# Altium PCB MB1936.PcbDoc (part 5 of 13)
Units mm, origin at the board's own origin, x right, y up, seen from the top; angles counter-clockwise.
Board outline 172 x 137 mm, 6 copper layers (Top Layer, Signal Layer 1, Signal Layer 2, Signal Layer 3, Signal Layer 4, Bottom Layer), stack 1.549 mm thick; 859 components, 672 nets, 3477 pads, 2222 vias.
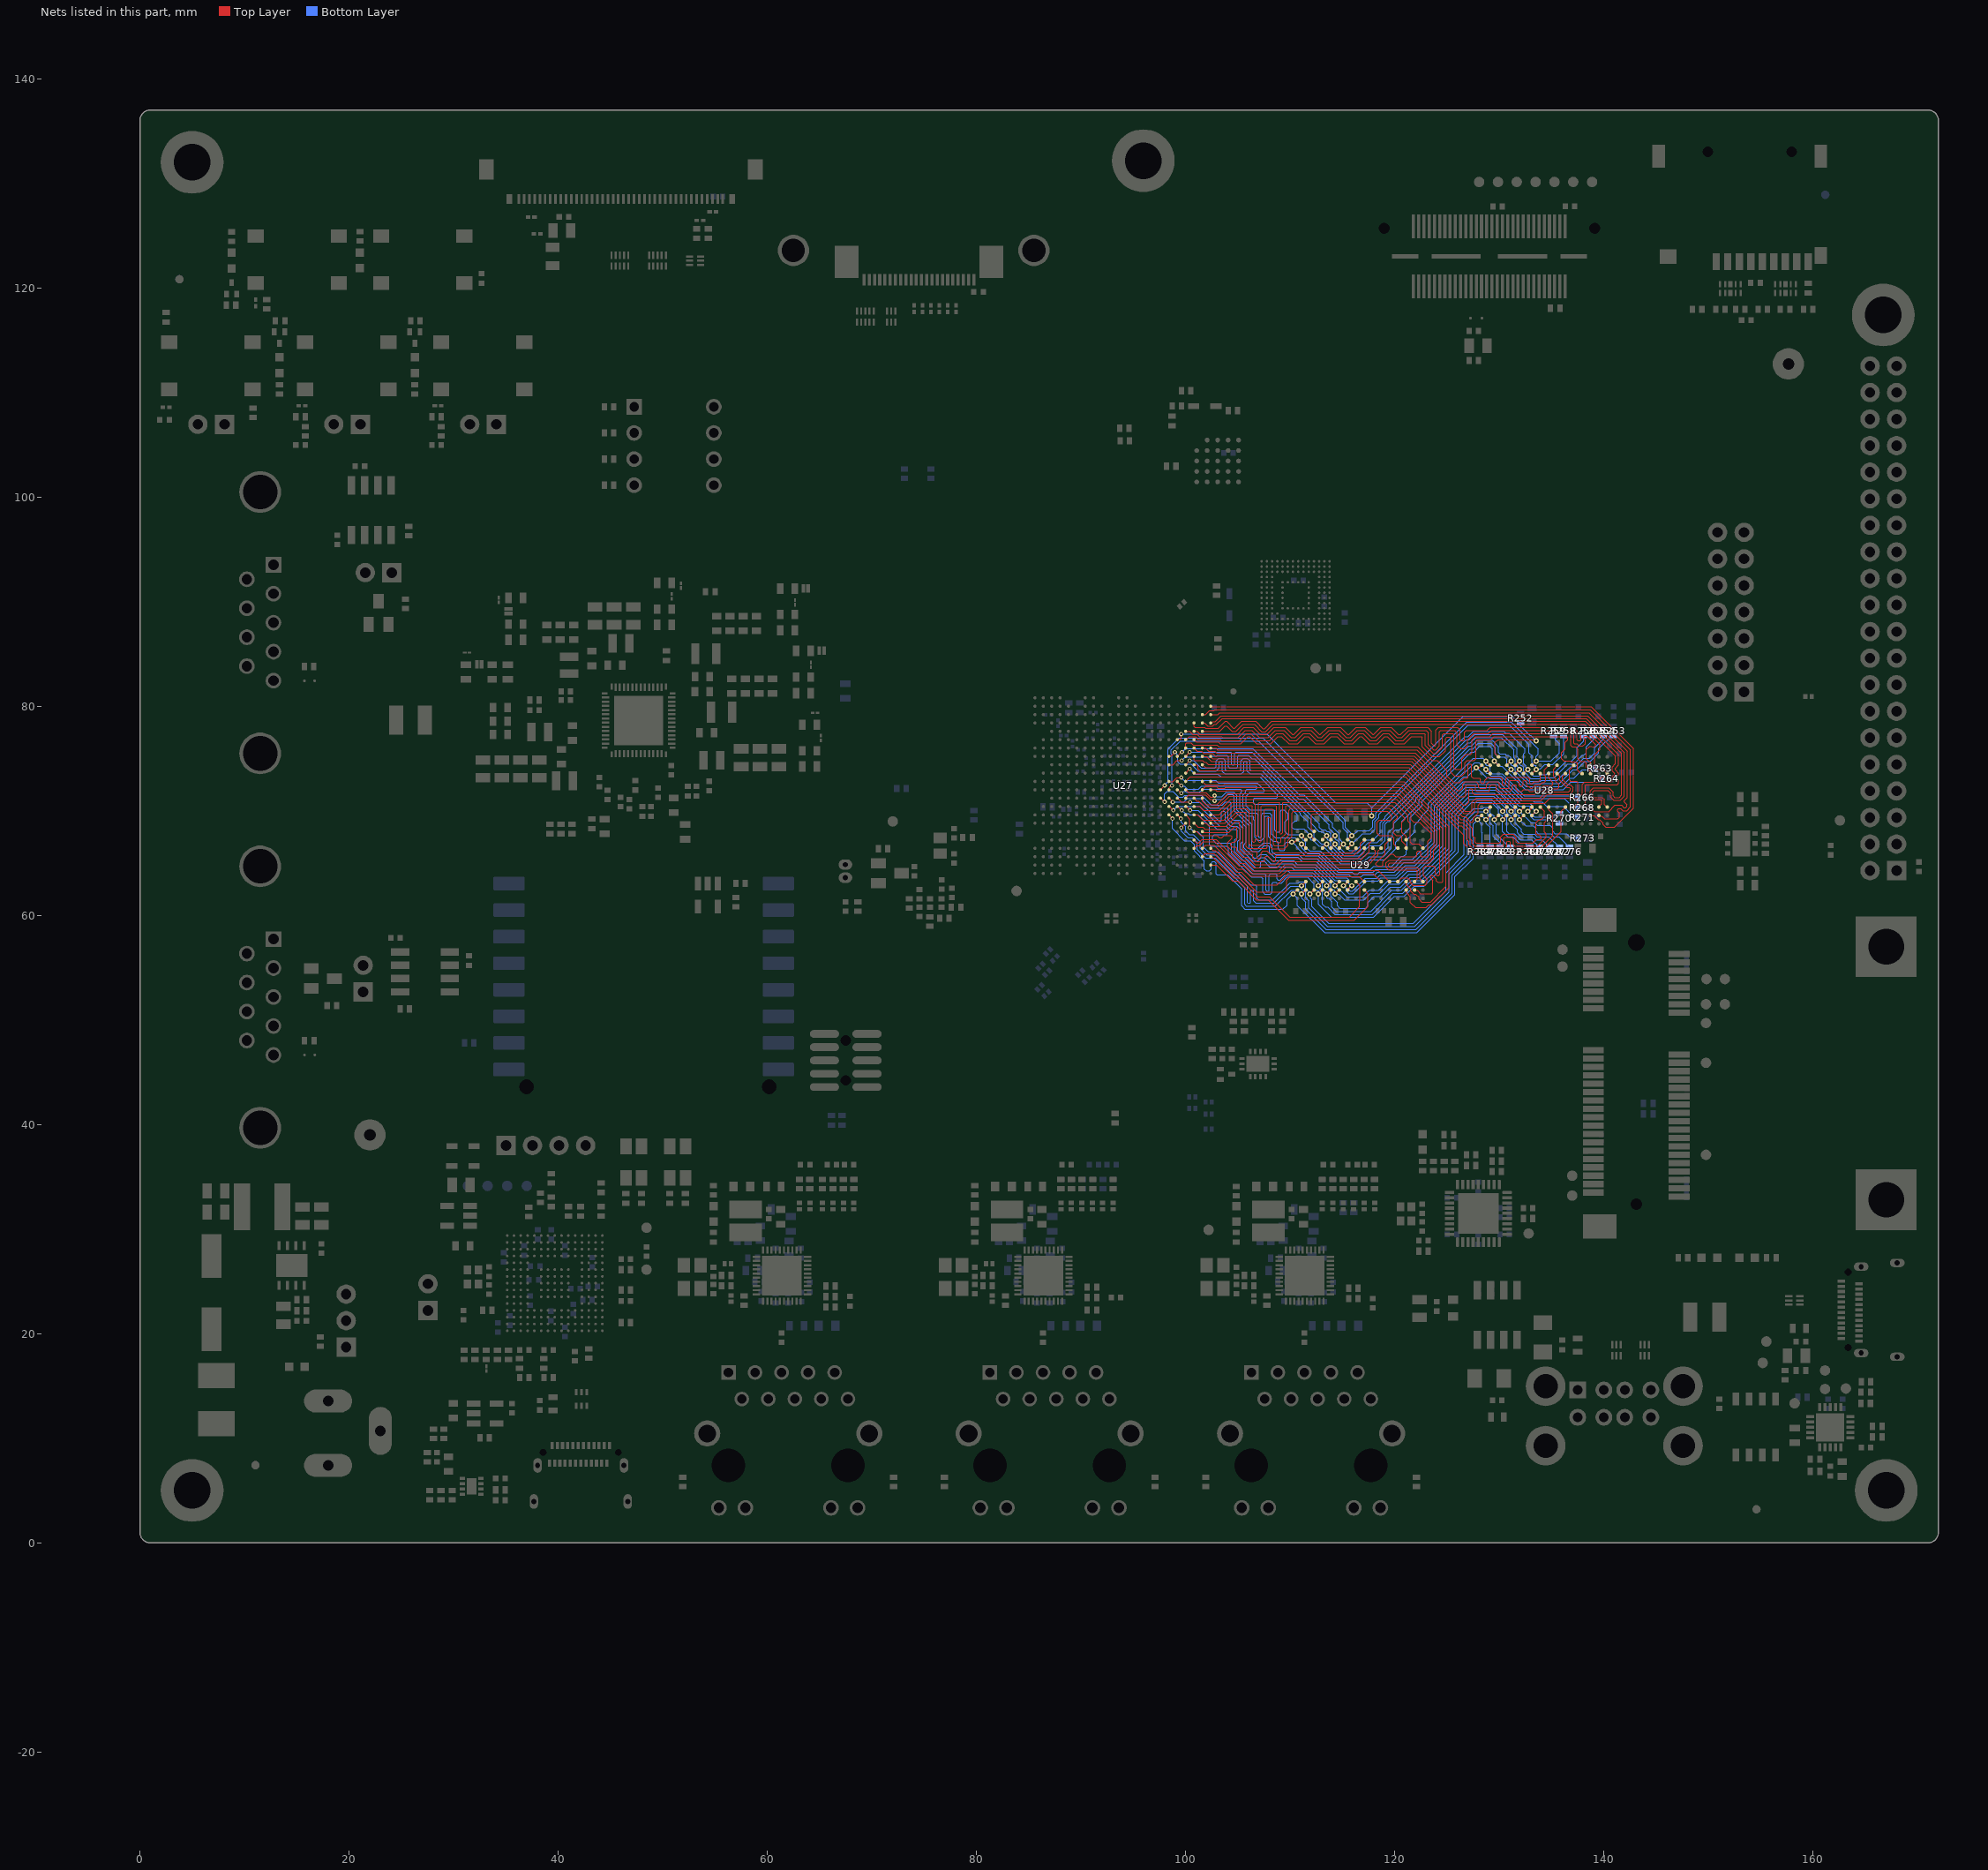
[diagram p9: the nets of this part, all layers, seen from the top]

## Via types
v1: diameter 0.55, hole 0.35, Top Layer to Bottom Layer, 1661 vias
v2: diameter 0.4, hole 0.2, Top Layer to Bottom Layer, tented both sides, 253 vias
v3: diameter 0.5, hole 0.2, Top Layer to Bottom Layer, 157 vias
v4: diameter 0.5, hole 0.25, Top Layer to Bottom Layer, 145 vias
v5: diameter 0.4, hole 0.2, Top Layer to Bottom Layer, 6 vias

## Nets (pads, with @x,y where several pads share a name; then routed paths per layer and width w, separated by ;. In a path a pad name is that pad's centre, name@x,y a point inside that pad or via, vN(x,y) a via of type N, cw(c..) or ccw(c..) an arc to the next point about the centre after c; other vN are vias at no path point) (continued)
DDR_A2: R268.1 U27.L18 U28.R3 U29.R3 | length 60.8
  Top Layer w0.09: U27.L18@99.2,72.8 v2(99.6,72.4) ; v4(111.1,66.825) 111.141,66.825 111.494,66.472 U29.R3@111.494,66.422 ; v4@128.732,73.928 128.772,73.928 129.125,73.575 U28.R3@129.125,73.55 U28.R3@129.125,73.525
  Bottom Layer w0.09: v2(99.6,72.4) 99.622,72.378 99.872,72.378 100.195,72.055 101.218,72.055 101.528,72.365 106.721,72.365 106.794,72.291 106.794,72.149 106.716,72.07 105.894,72.07 105.758,71.934 105.758,71.768 105.497,71.508 105.497,70.339 106.06,69.777 106.75,69.777 106.925,69.602 106.925,67.578 107.028,67.475 107.168,67.475 107.254,67.56 107.254,69.636 107.395,69.777 108.048,69.777 108.235,69.59 108.235,67.779 108.578,67.437 110.489,67.437 v4(111.1,66.825) 111.103,66.823 111.103,66.466 111.647,65.922 112.77,65.922 114.559,64.133 115.925,64.133 ; 115.925,64.132 116.116,63.94 116.457,63.94 116.65,64.133 117.958,64.133 118.21,64.385 ; 118.212,64.385 118.227,64.401 119.849,64.401 120.787,65.339 121.716,65.339 123.5,67.123 123.5,70.57 126.643,73.713 126.763,73.713 127.657,74.607 128.068,74.607 v4(128.725,73.95) 128.725,73.643 128.803,73.566 128.966,73.566 129.217,73.315 130.164,73.315 132.282,71.197 ; 132.28,71.195 136.23,71.195 137.125,70.3 R268.1@137.5,70.3
DDR_A3: R279.1 U27.P19 U28.N7 U29.N7 | length 56.9
  Top Layer w0.09: U27.P19@100,70.4 100.038,70.4 100.388,70.05 v2(100.425,70.05) ; v4(112.7,62.825) 112.724,62.825 113.094,63.195 U29.N7@113.094,63.222 ; v4@130.355,69.928 130.725,70.298 U28.N7@130.725,70.325
  Bottom Layer w0.09: v2(100.425,70.05) 101.175,70.05 102.992,68.234 103.762,68.234 103.993,68.003 103.993,67.765 103.94,67.713 102.738,67.713 102.575,67.55 102.575,67.25 102.898,66.927 104.298,66.927 104.415,66.81 104.415,65.963 106.421,63.958 107.549,63.958 107.679,63.828 107.679,62.403 107.759,62.322 107.922,62.322 107.975,62.375 107.975,63.81 108.123,63.958 108.606,63.958 108.725,63.839 108.725,63.481 108.822,63.384 109.037,63.384 109.49,63.837 112.024,63.837 112.7,63.161 v4(112.7,62.825) 112.7,62.775 112.9,62.575 112.9,62.384 113.104,62.18 113.104,61.046 113.37,60.78 113.595,60.78 114.275,60.1 117.854,60.1 119.854,62.1 120.773,62.1 121.731,63.059 122.66,63.059 125.781,66.18 125.781,69.627 127.244,71.09 129.246,71.09 130.325,70.011 v4(130.325,69.95) 130.325,69.9 130.513,69.713 130.513,69.588 130.6,69.5 130.6,69.434 130.72,69.314 130.72,68.021 130.939,67.803 131.443,67.803 132.021,67.225 133.086,67.225 133.376,66.935 133.389,66.935 133.39,66.934 133.417,66.934 133.825,66.525 R279.1@133.875,66.525
DDR_A4: R263.1 U27.H17 U28.N3 U29.N3 | length 60.3
  Top Layer w0.09: U27.H17@98.4,75.2 98.419,75.219 98.604,75.219 v2@98.98,75.595 ; U29.N3@113.094,66.422 113.094,66.47 113.449,66.825 v4(113.5,66.825) ; U28.N3@130.725,73.525 130.725,73.573 v4@131.08,73.928
  Bottom Layer w0.09: v2(98.98,75.6) 99.255,75.325 99.255,74.682 99.484,74.453 100.517,74.453 101.181,73.789 102.904,73.789 103.221,74.105 103.221,74.641 103.3,74.72 103.458,74.72 103.528,74.65 103.528,73.747 103.751,73.525 105.341,73.525 105.563,73.747 105.563,74.638 105.65,74.725 105.775,74.725 105.877,74.623 105.877,73.805 106.157,73.525 107.201,73.525 110.99,69.736 110.99,69.633 111.695,68.928 111.695,68.434 112.298,67.831 112.298,67.468 112.537,67.23 112.58,67.23 112.985,66.825 v4(113.5,66.825) 113.5,66.691 113.727,66.464 113.727,66.402 114.947,65.182 117.108,65.182 117.55,65.625 118.916,65.625 119.68,66.39 119.68,67.434 119.793,67.546 119.793,67.893 120.08,68.18 120.464,68.18 120.695,68.411 120.695,68.98 122.34,70.625 122.34,71.051 127.203,75.913 127.48,75.913 127.485,75.918 127.485,75.92 128,76.435 129.209,76.435 129.638,76.006 129.638,75.412 129.905,75.145 130.489,75.145 130.72,74.914 130.72,74.355 v4(131.125,73.95) 131.125,73.825 131.395,73.555 131.395,73.47 132.56,72.305 135.952,72.305 136.748,73.101 137.126,73.101 137.95,73.925 R263.1@139.2,73.925
DDR_A5: R282.1 U27.R19 U28.P8 U29.P8 | length 50.8
  Top Layer w0.09: U27.R19@100,69.6 100.4,69.2 v2(100.4,68.4) ; v4(111.9,62.025) 111.9,62.055 U29.P8@112.269,62.424 ; v4@129.532,69.158 U28.P8@129.901,69.527
  Bottom Layer w0.09: v2(100.4,68.4) 100.785,68.015 101.15,68.015 101.705,67.46 101.705,66.516 102.165,66.057 103.092,66.057 106.228,62.92 106.686,62.92 106.809,62.797 106.809,61.639 106.996,61.452 108.339,61.452 109.954,63.067 110.784,63.067 110.937,63.22 111.264,63.22 111.495,62.989 111.495,62.545 111.9,62.14 v4(111.9,62.025) 111.939,61.986 111.939,61.64 112.075,61.504 112.075,60.838 113.683,59.23 121.775,59.23 124.895,62.35 124.895,64.063 126.651,65.819 126.651,69.267 127.574,70.189 128.406,70.189 128.562,70.345 128.889,70.345 129.12,70.114 129.12,69.8 129.13,69.79 129.13,69.786 129.362,69.555 129.431,69.555 129.5,69.485 129.5,69.175 v4(129.525,69.15) 129.525,68.85 129.7,68.675 129.7,67.775 130.95,66.525 R282.1@131.025,66.525
DDR_A6: R264.1 U27.K19 U28.P2 U29.P2 | length 60.1
  Top Layer w0.09: U27.K19@100,73.6 v2(100.4,74) ; v4@111.896,67.62 112.269,67.247 112.294,67.247 112.375,67.166 112.35,67.166 U29.P2@112.294,67.222 ; v4@129.525,74.725 129.9,74.35 U28.P2@129.925,74.35
  Bottom Layer w0.09: v2(100.4,74) 100.4,73.99 100.891,73.499 103.108,73.499 103.372,73.235 107.081,73.235 108.8,71.516 108.8,71.292 108.708,71.2 106.6,71.2 106.5,71.1 106.5,70.747 106.6,70.647 109.669,70.647 110.7,69.616 110.7,69.096 110.648,69.043 110.488,69.043 110.199,68.754 110.199,68.412 110.361,68.25 111.315,68.25 v4@111.894,67.671 ; v4(111.9,67.625) 111.9,67.323 111.996,67.228 112.147,67.228 112.74,66.635 113.123,66.635 114.826,64.932 117.283,64.932 117.675,65.325 119.032,65.325 119.7,65.994 119.7,66 120.078,66.377 120.078,66.994 121.495,68.411 121.495,69.37 122.63,70.505 122.63,70.894 122.631,70.895 122.631,70.932 127.323,75.623 127.6,75.623 128.12,76.143 128.12,76.145 129.089,76.145 129.348,75.886 129.348,75.102 129.525,74.925 v4(129.525,74.75) 130.035,74.24 130.277,74.24 132.502,72.015 136.126,72.015 136.841,72.73 139.506,72.73 R264.1@139.75,72.975
DDR_A7: R275.1 U27.T19 U28.R8 U29.R8 | length 48.8
  Top Layer w0.09: v2(99.6,68.4) U27.T19@100,68.8 ; v4(111.1,62.025) U29.R8@111.5,62.425 ; v4@128.732,69.128 U28.R8@129.132,69.528
  Bottom Layer w0.09: v2(99.6,68.4) 99.607,68.393 99.607,68.059 100.231,67.435 100.628,67.435 101.125,66.938 101.125,66.276 101.924,65.477 102.823,65.477 105.649,62.65 105.649,61.035 105.812,60.872 108.587,60.872 ; 108.587,60.873 110.132,62.417 110.134,62.417 110.137,62.42 110.705,62.42 v4(111.1,62.025) ; v4@111.107,62.025 111.126,62.006 111.126,61.633 111.495,61.264 111.495,60.598 113.443,58.65 122.015,58.65 125.475,62.11 125.475,63.823 127.231,65.579 127.231,69.026 127.75,69.545 128.337,69.545 v4@128.725,69.157 ; v4@128.732,69.15 128.757,69.125 128.757,68.776 129.12,68.413 R275.1@129.12,66.53
  other v4: 128.725,69.15
DDR_A8: R266.1 U27.L17 U28.R2 U29.R2 | length 61.8
  Top Layer w0.09: U27.L17@98.4,72.8 98.783,72.8 99.158,73.175 v2(99.6,73.175) ; v4@111.094,67.622 U29.R2@111.494,67.222 ; v4@128.725,74.725 U28.R2@129.125,74.325
  Bottom Layer w0.09: v2(99.6,73.175) 99.856,72.919 102.868,72.919 103.132,72.655 106.841,72.655 107.525,71.971 107.525,71.833 107.473,71.78 106.18,71.78 105.787,71.388 105.787,70.46 106.18,70.067 108.458,70.067 108.525,70 108.525,68.156 108.694,67.988 108.975,67.988 109.075,68.088 109.075,69.967 109.175,70.067 109.429,70.067 109.805,69.691 109.805,69.23 109.519,68.944 109.519,68.027 109.814,67.732 110.873,67.732 110.983,67.622 v4@111.094,67.622 ; v4@111.14,67.576 111.14,67.293 111.213,67.22 111.264,67.22 111.5,66.984 111.5,66.525 111.854,66.172 112.873,66.172 114.662,64.383 117.693,64.383 118.001,64.691 119.716,64.691 120.655,65.63 120.864,65.63 121.105,65.871 121.105,66.189 121.175,66.259 121.175,67.25 121.905,67.98 121.905,68.589 122.038,68.721 122.038,68.788 122.55,69.3 122.55,69.465 123.21,70.125 123.21,70.654 123.211,70.655 123.211,70.691 127.538,75.018 128.433,75.018 128.7,74.75 128.7,74.425 128.775,74.35 128.957,74.35 129.13,74.176 129.13,73.77 129.345,73.555 130.263,73.555 132.372,71.446 136.654,71.446 136.85,71.25 R266.1@137.5,71.25
  other v4: 111.1,67.625 128.725,74.75
DDR_A9: R283.1 U27.R18 U28.R7 U29.R7 | length 52.8
  Top Layer w0.09: U27.R18@99.2,69.6 v2(99.55,69.25) ; v4(111.1,62.825) 111.494,63.218 U29.R7@111.494,63.222 ; v4@128.732,69.928 129.125,70.321 U28.R7@129.125,70.325
  Bottom Layer w0.09: v2(99.55,69.25) 99.595,69.205 99.595,68.9 100.026,68.47 100.026,68.05 100.346,67.73 100.66,67.73 100.665,67.725 100.749,67.725 101.415,67.058 101.415,66.396 102.044,65.767 102.943,65.767 105.939,62.77 105.939,61.236 106,61.175 106.169,61.175 106.221,61.228 ; 106.229,61.228 106.229,62.327 106.282,62.379 106.451,62.379 106.519,62.311 106.519,61.381 106.738,61.162 108.459,61.162 110.074,62.777 111.052,62.777 v4(111.1,62.825) 111.1,62.475 111.155,62.42 111.264,62.42 111.5,62.184 111.5,61.669 111.785,61.384 111.785,60.718 113.563,58.94 121.895,58.94 125.185,62.23 125.185,63.943 126.941,65.699 126.941,69.146 127.694,69.899 128.674,69.899 v4(128.725,69.95) ; v4@128.725,69.925 128.725,69.867 128.9,69.692 128.9,69.534 129.12,69.314 129.12,68.83 129.41,68.54 129.41,67.562 130.075,66.897 R283.1@130.075,66.525
DDR_A10: R254.1 U27.J17 U28.M3 U29.M3 | length 60.4
  Top Layer w0.09: U27.J17@98.4,74.4 98.783,74.4 99.183,74.8 v2(99.625,74.8) ; U29.M3@113.894,66.422 113.894,66.47 114.249,66.825 v4(114.3,66.825) ; U28.M3@131.525,73.55 131.525,73.573 v4@131.88,73.928
  Bottom Layer w0.09: v2(99.625,74.8) 99.632,74.8 99.977,75.145 102.361,75.145 102.433,75.217 102.977,75.217 103.06,75.3 103.933,75.3 104.108,75.125 104.108,74.2 104.204,74.105 104.886,74.105 104.983,74.203 104.983,75.2 105.088,75.305 106.016,75.305 106.348,74.973 106.573,74.973 112.805,68.741 112.805,68.411 113.037,68.18 113.34,68.18 113.5,68.02 113.68,68.02 113.903,67.798 113.903,67.304 114.263,66.943 114.263,66.825 v4(114.3,66.825) 114.3,66.536 115.154,65.682 116.653,65.682 117.621,66.65 118.575,66.65 119.1,67.175 119.1,68.745 119.325,68.97 119.509,68.97 121.76,71.221 121.76,71.291 126.963,76.493 127.238,76.493 127.76,77.015 130.179,77.015 131.39,75.804 131.39,75.441 131.391,75.043 131.52,74.914 131.52,74.53 131.75,74.3 131.75,74.2 131.925,74.025 v4(131.925,73.95) 131.925,73.836 132.22,73.541 132.22,73.466 132.851,72.835 133.987,72.835 134.037,72.885 135.554,72.885 136.864,74.195 137.255,74.195 138.075,75.015 138.599,75.015 139.12,75.536 139.12,76.034 139.95,76.864 R254.1@139.95,77.175
DDR_A11: R271.1 U27.M18 U28.T2 U29.T2 | length 59.6
  Top Layer w0.09: U27.M18@99.2,72 99.237,72 99.562,71.675 v2(99.6,71.675) ; v4(110.175,67) 110.423,67 110.647,67.224 U29.T2@110.694,67.224 ; v4@127.807,74.103 128.055,74.103 128.279,74.327 U28.T2@128.326,74.327
  Bottom Layer w0.09: v2(99.6,71.675) 99.6,71.677 99.79,71.867 99.973,71.867 100.089,71.751 101.324,71.751 101.648,72.075 105.226,72.075 105.375,71.925 105.375,71.796 105.207,71.628 105.207,70.219 105.94,69.487 106.405,69.487 106.52,69.372 106.52,69.168 106.635,69.053 106.635,67.458 106.908,67.185 107.288,67.185 107.579,67.475 107.579,69.402 107.664,69.487 107.858,69.487 107.945,69.4 107.945,67.505 108.35,67.1 108.75,67.1 108.855,66.995 108.855,66.376 109.015,66.215 109.412,66.215 109.519,66.322 109.519,66.856 109.662,67 v4(110.175,67) 110.216,67 110.625,66.59 110.625,66.507 111.46,65.672 112.666,65.672 114.455,63.883 115.625,63.883 115.858,63.65 116.782,63.65 117.015,63.883 118.118,63.883 118.33,64.095 ; 118.332,64.095 118.347,64.111 119.969,64.111 120.907,65.049 121.836,65.049 123.79,67.003 123.79,70.45 126.59,73.25 126.925,73.25 v4(127.8,74.125) 128.775,73.15 129,73.15 129.075,73.075 130.064,73.075 132.18,70.959 133.217,70.959 133.327,70.85 134.1,70.85 134.545,70.405 136.12,70.405 137.175,69.35 R271.1@137.5,69.35
DDR_A12: R277.1 U27.N18 U28.M7 U29.M7 | length 56.3
  Top Layer w0.09: U27.N18@99.2,71.2 99.575,70.825 v2(100.425,70.825) ; v4(113.5,62.825) 113.524,62.825 113.894,63.195 U29.M7@113.894,63.222 ; v4@131.132,69.928 131.155,69.928 131.525,70.298 U28.M7@131.525,70.325
  Bottom Layer w0.09: v2(100.425,70.825) 100.45,70.8 101.386,70.8 103.202,68.984 103.334,68.984 103.438,69.087 103.438,69.885 103.525,69.973 103.7,69.973 103.791,69.882 103.791,69.046 104.31,68.528 104.9,68.528 105.225,68.202 105.225,67.308 104.995,67.078 104.995,66.204 106.661,64.538 107.038,64.538 107.19,64.69 107.19,65.07 107.327,65.206 107.474,65.206 108.035,64.645 110.092,64.645 110.38,64.357 112.211,64.357 113.5,63.068 v4@113.5,62.882 ; v4(113.5,62.825) 113.711,62.614 113.711,62.373 113.895,62.189 113.895,61.84 114.505,61.23 114.505,60.911 114.737,60.68 117.214,60.68 117.45,60.916 117.45,61.234 118.042,61.825 118.704,61.825 119.579,62.7 120.553,62.7 121.491,63.639 122.42,63.639 125.2,66.419 125.2,69.866 127.004,71.67 129.488,71.67 131.125,70.033 v4(131.125,69.95) 131.35,69.725 131.35,69.556 131.522,69.385 131.522,68.795 132.105,68.211 132.105,67.986 132.337,67.755 133.377,67.755 133.617,67.515 133.629,67.515 133.63,67.514 134.746,67.514 135.735,66.525 R277.1@135.775,66.525
DDR_A13: R284.1 U27.R17 U28.T8 U29.T8 | length 51.4
  Top Layer w0.09: U27.R17@98.4,69.6 v2(98.75,69.25) ; v4(110.3,62.025) 110.3,62.055 U29.T8@110.669,62.424 ; v4@127.932,69.158 128.004,69.23 128.255,69.481 U28.T8@128.301,69.527
  Bottom Layer w0.09: v2(98.75,69.25) 98.75,68.29 99.895,67.145 100.456,67.145 100.835,66.765 100.835,66.156 101.804,65.187 101.804,64.422 101.985,64.242 102.274,64.242 102.453,64.42 102.453,64.976 102.602,65.125 102.764,65.125 102.907,64.982 102.907,63.977 103.017,63.867 104.022,63.867 105.359,62.53 105.359,60.908 105.685,60.582 109.315,60.582 109.698,60.965 109.698,61.503 110.22,62.025 v4(110.3,62.025) 110.705,61.62 110.705,60.936 113.282,58.36 122.135,58.36 125.765,61.99 125.765,63.703 127.521,65.459 127.521,68.734 127.925,69.138 v4(127.925,69.15) ; v4@127.925,69.125 128.323,68.728 128.323,67.936 128.375,67.884 128.375,66.725 R284.1@128.175,66.525
DDR_ACTN: R256.1 U27.H18 U28.L3 U29.L3 | length 55.5
  Top Layer w0.09: U27.H18@99.2,75.2 99.6,75.6 v2(99.65,75.6) ; U29.L3@114.694,66.422 114.694,66.47 115.049,66.825 v4(115.1,66.825) ; U28.L3@132.325,73.525 132.325,73.573 v4@132.68,73.928
  Bottom Layer w0.09: v2@99.658,75.6 100.003,75.945 106.429,75.945 110.879,71.495 111.313,71.495 114.055,68.753 114.055,68.429 114.703,67.781 114.703,67.279 115.1,66.882 115.1,66.755 115.656,66.2 116.288,66.2 117.318,67.23 117.944,67.23 118.618,67.904 118.618,68.838 119.084,69.304 119.084,69.435 126.722,77.073 126.998,77.073 127.52,77.595 130.42,77.595 130.598,77.417 130.942,77.417 132.47,75.889 132.47,75.561 132.325,75.416 132.325,74.517 132.56,74.282 132.56,74.177 132.725,74.012 v4(132.725,73.95) 132.725,73.852 133.262,73.315 133.788,73.315 133.948,73.475 134.475,73.475 134.703,73.703 135.361,73.703 136.433,74.775 136.919,74.775 137.425,75.281 137.425,76.024 138.05,76.65 R256.1@138.05,77.175
DDR_BA0: R253.1 U27.J19 U28.N2 U29.N2 | length 60.7
  Top Layer w0.09: U27.J19@100,74.4 v2(100.4,74.8) ; U29.N2@113.094,67.222 113.094,67.27 v4@113.424,67.6 ; U28.N2@130.725,74.325 130.725,74.373 v4@131.055,74.703
  Bottom Layer w0.09: v2(100.4,74.8) 100.409,74.791 100.756,74.791 101.468,74.079 102.784,74.079 102.931,74.225 102.931,74.761 103.18,75.01 103.578,75.01 103.818,74.77 103.818,73.94 103.943,73.815 105.166,73.815 105.273,73.922 105.273,74.758 105.53,75.015 105.895,75.015 106.167,74.743 106.167,73.925 106.277,73.815 107.322,73.815 111.985,69.151 111.985,68.804 112.77,68.02 112.928,68.02 112.958,67.99 113.135,67.99 v4(113.5,67.625) ; v4@113.5,67.6 113.5,67.322 113.603,67.22 113.664,67.22 113.901,66.983 113.901,66.666 114.05,66.516 114.05,66.433 115.051,65.432 116.862,65.432 117.383,65.952 118.833,65.952 119.39,66.51 119.39,67.906 119.905,68.421 119.905,68.81 122.05,70.955 122.05,71.171 127.083,76.203 127.358,76.203 127.88,76.725 129.329,76.725 129.928,76.126 129.928,75.572 130.05,75.45 130.542,75.45 130.662,75.33 130.871,75.33 131.101,75.1 131.101,74.923 131.125,74.899 v4(131.125,74.75) 131.125,74.425 131.205,74.345 131.289,74.345 131.52,74.114 131.52,73.78 132.705,72.595 135.744,72.595 137.054,73.905 137.376,73.905 138.196,74.725 138.719,74.725 139.512,75.518 139.512,75.933 140.15,76.572 140.15,76.59 140.235,76.675 140.299,76.675 140.799,77.175 R253.1@140.9,77.175
DDR_BA1: R280.1 U27.P18 U28.N8 U29.N8 | length 53.6
  Top Layer w0.09: U27.P18@99.2,70.4 99.237,70.4 99.588,70.05 v2(99.625,70.05) ; v4(112.7,62.025) 112.7,62.055 U29.N8@113.069,62.424 ; v4@130.332,69.158 U28.N8@130.701,69.527
  Bottom Layer w0.09: v2(99.625,70.05) 99.648,70.05 99.974,69.724 100.264,69.724 100.38,69.607 101.208,69.607 102.285,68.53 102.285,66.756 102.405,66.637 103.928,66.637 104.125,66.44 104.125,65.843 106.301,63.668 107.22,63.668 107.389,63.499 107.389,62.214 107.571,62.032 108.099,62.032 108.265,62.198 108.265,63.04 108.375,63.15 108.646,63.15 108.702,63.094 109.157,63.094 109.71,63.647 111.637,63.647 112.299,62.985 112.299,62.531 112.428,62.402 112.613,62.402 112.7,62.315 v4(112.7,62.025) 112.7,61.033 113.924,59.81 117.974,59.81 119.974,61.81 120.893,61.81 121.852,62.769 122.78,62.769 126.071,66.06 126.071,69.507 127.365,70.8 129.234,70.8 129.92,70.114 129.92,69.796 130.162,69.555 130.245,69.555 130.3,69.5 130.3,69.175 v4(130.325,69.15) 130.325,68.006 130.832,67.5 131.335,67.5 131.9,66.935 132.44,66.935 132.85,66.525 R280.1@132.925,66.525
DDR_BG0: R255.1 U27.H19 U28.M2 U29.M2 | length 57.6
  Top Layer w0.09: U27.H19@100,75.2 v2(100.4,75.6) ; U29.M2@113.894,67.222 113.894,67.27 114.249,67.625 v4(114.3,67.625) ; U28.M2@131.525,74.325 131.525,74.373 v4@131.88,74.728
  Bottom Layer w0.09: v2(100.4,75.6) 104.298,75.6 104.398,75.5 104.398,74.479 104.482,74.395 104.612,74.395 104.693,74.476 104.693,75.468 104.825,75.6 106.357,75.6 110.832,71.125 111.233,71.125 113.703,68.655 113.703,68.303 v4@114.341,67.666 ; v4(114.3,67.625) 114.3,67.306 114.387,67.22 114.464,67.22 114.7,66.984 114.7,66.49 115.258,65.932 116.463,65.932 117.471,66.94 118.315,66.94 118.857,67.482 118.857,68.798 126.843,76.783 127.118,76.783 127.64,77.305 130.299,77.305 131.68,75.924 131.68,75.561 ; 131.681,75.561 131.681,75.163 131.81,75.034 131.81,74.976 131.925,74.861 v4(131.925,74.75) 131.925,74.47 132.045,74.35 132.139,74.35 132.32,74.168 132.32,73.786 132.317,73.783 133.025,73.075 133.888,73.075 133.988,73.175 135.244,73.175 136.554,74.485 137.135,74.485 137.955,75.305 138.089,75.305 138.32,75.536 138.32,76.107 139,76.787 R255.1@139,77.175
DDR_CASN: R278.1 U27.P17 U28.M8 U29.M8 | length 53.7
  Top Layer w0.09: U27.P17@98.4,70.4 98.45,70.4 98.8,70.05 v2@98.85,70.05 ; v4(113.5,62.025) 113.5,62.055 U29.M8@113.869,62.424 ; v4@131.132,69.158 U28.M8@131.501,69.527
  Bottom Layer w0.09: v2@98.85,70.05 99.2,70.4 101.376,70.4 103.252,68.524 103.904,68.524 104.19,68.238 104.78,68.238 104.935,68.082 104.935,67.439 104.705,67.209 104.705,66.084 106.541,64.248 109.797,64.248 109.95,64.095 112.12,64.095 113.095,63.119 113.095,62.557 v4@113.441,62.211 ; v4@113.449,62.203 v4@113.441,62.211 ; R278.1@134.825,66.525 134.788,66.525 134.089,67.224 133.51,67.224 133.509,67.225 133.497,67.225 133.207,67.515 132.141,67.515 131.753,67.903 131.725,67.93 131.725,68.175 131.125,68.775 v4(131.125,69.15) 131.132,69.156 131.132,69.506 131.083,69.555 130.962,69.555 130.73,69.786 130.73,69.795 130.72,69.805 130.72,70.134 129.474,71.38 127.124,71.38 125.49,69.746 125.49,66.299 122.54,63.349 121.611,63.349 120.653,62.39 119.734,62.39 117.734,60.39 114.395,60.39 113.997,60.789 113.997,61.287 113.664,61.62 113.555,61.62 113.5,61.675 v4(113.5,62.025) 113.441,62.084 v4@113.441,62.211